# Altium PCB DSD_SDR_MainBoard_Quad.PcbDoc (part 2 of 2)
Units mm, origin at the board's own origin, x right, y up, seen from the top; angles counter-clockwise.
Board outline 143.13 x 116.33 mm, 2 copper layers (Top Layer, Bottom Layer), stack 1.569 mm thick; 92 components, 70 nets, 373 pads, 98 vias.
Unrouted connection lines stored in the file: 1.
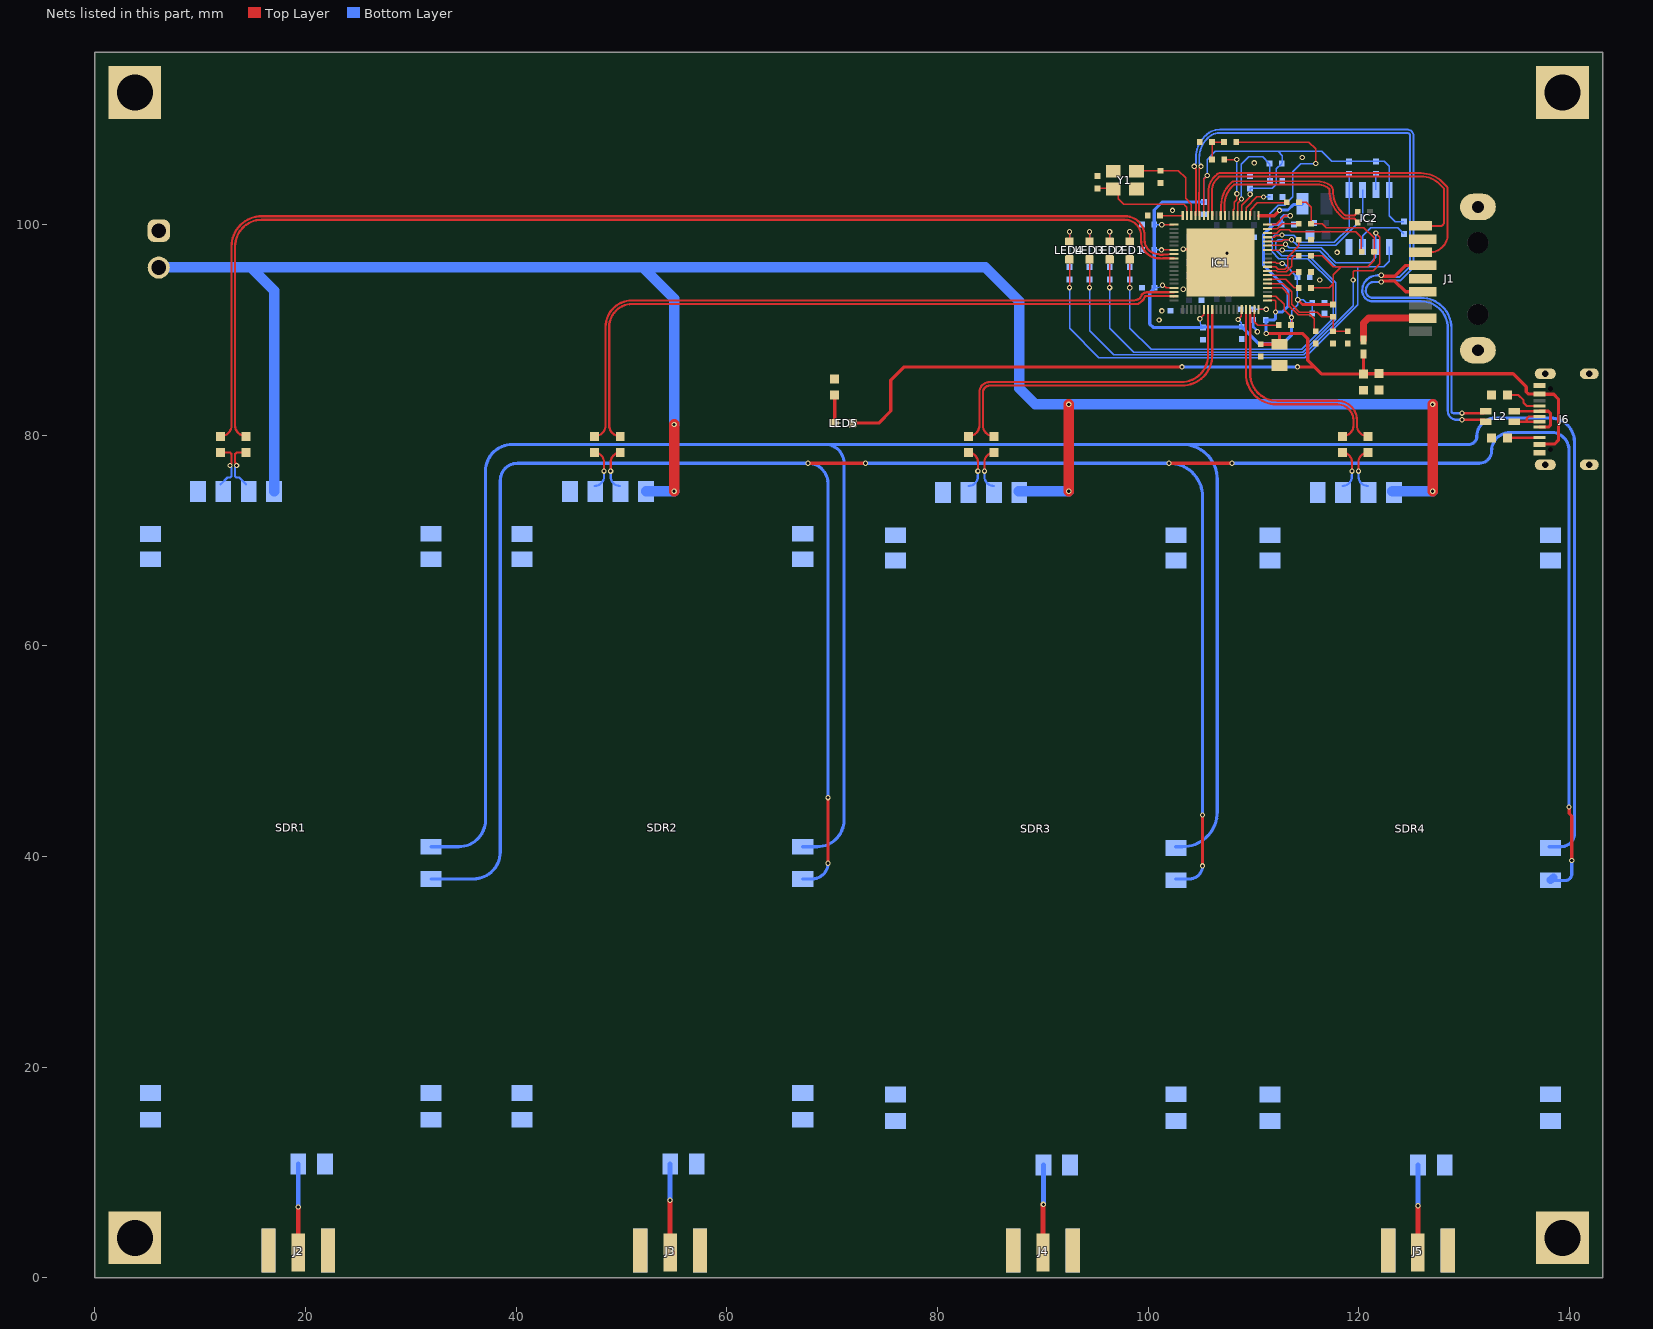
[diagram p2: the nets of this part, all layers, seen from the top]

## Via types
v1: diameter 0.5, hole 0.3, Top Layer to Bottom Layer, tented both sides, 98 vias

## Nets (pads, with @x,y where several pads share a name; then routed paths per layer and width w, separated by ;. In a path a pad name is that pad's centre, name@x,y a point inside that pad or via, vN(x,y) a via of type N, cw(c..) or ccw(c..) an arc to the next point about the centre after c; other vN are vias at no path point) (continued)
3_3V: C8.1 C9.1 C14.1 C15.1 C16.1 C17.1 C18.1 C19.1 C20.1 C21.1 IC1.6 IC1.15 IC1.21 IC1.29 IC1.43 IC1.52 IC1.58 IC1.64 IC1.73 IC2.8 R2.2 R7.2 R8.2 R9.2 R10.2 R11.2 R12.2 R15.1 R17.1 R19.1 R21.1 | length 126
  Top Layer w0.127: v1(101.256,97.598) 101.258,97.595 102.427,97.595 IC1.64@102.429,97.593 ; v1(101.276,99.978) 101.284,99.985 102.421,99.985 IC1.58@102.429,99.993 ; v1(101.346,94.234) 101.447,94.234 101.689,93.991 IC1.73@102.429,93.993 ; v1(104.902,91.059) 104.908,91.059 105.265,91.416 105.265,91.93 IC1.6@105.279,91.943 ; IC1.52@105.279,100.843 105.279,104.318 v1(105.609,104.648) ; v1(108.534,90.984) 108.534,90.99 108.842,91.298 108.842,91.907 IC1.15@108.879,91.943 ; IC1.43@108.879,100.843 108.879,101.822 109.673,102.616 v1(109.673,102.87) 109.673,103.124 ; IC1.21@111.329,93.193 112.111,93.193 112.89,92.414 112.89,91.906 v1(113.61,91.186) 113.61,90.507 R17.1@113.562,90.459 ; IC1.29@111.329,96.393 111.341,96.406 112.097,96.406 112.16,96.342 112.669,96.342 v1(112.721,96.29) ; R19.1@114.321,102.108 115.007,102.108 115.464,101.651 R7.2@115.464,100.076 116.531,100.076 116.912,99.695 120.48,99.695 121.433,98.742 121.433,96.596 120.849,96.012 118.309,96.012 ; R15.1@115.464,93.98 117.166,93.98 117.547,94.361 ; R21.1@115.464,97.028 116.531,97.028 117.547,96.012 118.309,96.012 ; R12.2@117.547,92.405 117.547,94.361 ; 117.547,94.361 117.547,95.25 118.309,96.012
  Top Layer w0.305: v1(114.19,92.86) 114.644,92.405 R12.2@117.547,92.405
  Bottom Layer w0.127: C16.1@100.573,99.982 100.577,99.978 v1(101.276,99.978) ; C15.1@100.574,97.598 v1(101.256,97.598) ; C14.1@100.587,93.99 100.756,93.99 ccw(c100.756,94.117) 100.787,93.994 101.259,94.115 101.346,94.202 v1(101.346,94.234) ; v1(104.902,91.059) 104.916,91.045 104.916,90.619 104.981,90.553 104.981,90.447 C20.1@105.193,90.236 ; C17.1@105.286,102.14 105.286,104.326 v1(105.609,104.648) 105.609,106.172 106.371,106.934 112.34,106.934 ; v1(108.534,90.984) 108.821,90.697 108.821,90.421 C21.1@108.911,90.331 ; v1(109.673,102.87) C18.1@109.673,103.429 111.756,103.429 112.164,103.837 112.164,105.285 R2.2@112.67,105.791 112.721,105.842 112.721,106.553 112.34,106.934 ; v1(112.721,96.29) 112.792,96.219 112.946,96.219 C19.1@114.169,94.996 114.169,92.913 114.19,92.892 v1(114.19,92.86) ; v1(113.61,91.186) 113.61,91.821 114.19,92.401 v1(114.19,92.86) ; C8.1@115.566,91.567 C9.1@115.566,92.583 115.007,92.583 114.73,92.86 v1(114.19,92.86) ; R9.2@124.278,100.279 123.44,100.279 122.881,100.838 IC2.8@122.881,103.296 122.881,105.537 122.424,105.994 R10.2@121.611,105.994 R11.2@119.071,105.994 117.405,105.994 116.465,106.934 112.34,106.934
  Bottom Layer w0.305: C14.1@100.573,93.976 100.573,97.576 C15.1@100.563,97.586 C16.1@100.563,99.992 ; C16.1@100.573,99.982 C16.1@100.563,99.992 ; C14.1@100.587,93.99 100.581,93.99 100.461,93.87 100.461,93.864 100.148,93.551 100.148,90.551 100.463,90.236 C20.1@105.193,90.236 105.228,90.271 C21.1@108.911,90.271 ; C17.1@105.286,102.14 101.323,102.14 100.563,101.38 C16.1@100.563,99.992 ; C21.1@108.886,90.306 110.494,88.699 112.773,88.699 113.61,89.535 v1(113.61,91.186)
5VBus: C1.1 C2.1 C10.1 C11.2 C12.1 C13.1 FB1.2 IC1.20 IC1.38 J6.2 J6.11 LED5.A R1.2 | length 128.6
  Top Layer w0.127: R1.2@108.352,107.823 115.261,107.823 115.896,107.188 v1(115.896,105.791) ; IC1.20@111.329,92.793 112.003,92.793 112.086,92.71 v1(112.086,91.694)
  Top Layer w0.203: IC1.38@111.329,99.993 112.13,99.993 112.975,100.838 v1(113.483,100.838)
  Top Layer w0.305: LED5.A@71.931,81.153 74.422,81.153 75.565,82.296 75.565,85.217 76.835,86.487 v1(103.206,86.487) ; C10.1@110.677,88.64 112.461,88.64 C11.2@112.467,88.646 112.467,89.535 112.34,89.662 ; v1(111.197,89.662) 112.34,89.662 ; v1(114.173,86.487) 115.769,86.487 ; FB1.2@120.439,87.692 120.443,87.687 120.443,85.824 C1.1@120.448,85.819 ; J6.2@137.123,79.123 137.163,79.162 138.598,79.162 138.938,79.502 138.938,83.439 138.493,83.884 137.163,83.884 J6.11@137.123,83.923 136.069,83.923 135.89,84.102 135.89,84.582 134.632,85.84 C2.1@121.916,85.84 121.906,85.829 120.459,85.829 C1.1@120.448,85.819 ; 112.34,89.662 114.626,89.662 115.134,89.154 115.134,87.122 115.769,86.487 ; 115.769,86.487 116.437,85.819 C1.1@120.448,85.819
  Bottom Layer w0.127: 111.629,99.747 111.518,99.858 111.518,101.032 112.326,101.84 112.961,101.84 113.737,102.616 113.737,105.029 114.499,105.791 v1(115.896,105.791)
  Bottom Layer w0.305: v1(103.206,86.487) v1(114.173,86.487) ; v1(111.197,89.662) 111.171,89.687 111.171,90.907 C12.1@111.146,90.932 111.907,90.932 112.086,91.111 v1(112.086,91.694) 112.721,91.694 113.267,92.24 113.267,93.815 110.943,96.139 110.943,99.06 111.629,99.747 111.875,99.992 C13.1@112.656,99.992 112.656,100.646 112.848,100.838 v1(113.483,100.838)
A1_N: R28.1 SDR1.3 | length 4.6
  Top Layer w0.211: v1@13.518,77.195 13.313,77.4 13.313,78.223 13.437,78.346 R28.1@14.351,78.346
  Bottom Layer w0.211: v1(13.458,77.125) 13.458,77.047 13.313,76.902 13.313,76.107 13.437,75.984 13.706,75.984 SDR1.3@14.351,75.339
A1_P: R27.1 SDR1.2 | length 4.4
  Top Layer w0.211: R27.1@11.938,78.346 12.852,78.346 12.976,78.223 12.976,77.348 12.831,77.204 v1(12.831,77.125)
  Bottom Layer w0.211: SDR1.2@11.938,75.339 12.583,75.984 12.852,75.984 12.976,76.107 12.976,76.902
A2_N: R30.1 SDR2.3 | length 4.2
  Top Layer w0.211: v1(48.967,76.591) 48.967,77.436 cw(c49.877,77.436) R30.1@49.877,78.346
  Bottom Layer w0.211: v1(48.967,76.591) 48.976,75.952 ccw(c49.187,75.955) 48.979,75.922 48.979,75.92 ccw(c49.849,76.066) SDR2.3@49.849,75.184
A2_P: R29.1 SDR2.2 | length 4.2
  Top Layer w0.211: R29.1@47.43,78.346 cw(c47.43,77.436) 48.34,77.436 v1(48.34,76.591)
  Bottom Layer w0.211: SDR2.2@47.436,75.184 ccw(c47.436,76.088) 48.324,75.92 ccw(c48.118,75.96) 48.328,75.956 v1(48.34,76.591)
A3_N: R32.1 SDR3.3 | length 4.2
  Top Layer w0.211: v1(84.455,76.591) 84.455,77.457 cw(c85.344,77.457) R32.1@85.344,78.346
  Bottom Layer w0.211: v1(84.455,76.591) 84.465,75.953 ccw(c84.676,75.957) 84.469,75.92 ccw(c85.348,76.077) SDR3.3@85.348,75.184
A3_P: R31.1 SDR3.2 | length 4.2
  Top Layer w0.211: R31.1@82.931,78.346 cw(c82.931,77.449) 83.828,77.449 v1(83.828,76.591)
  Bottom Layer w0.211: SDR3.2@82.935,75.184 ccw(c82.935,76.077) 83.814,75.92 ccw(c83.607,75.958) 83.817,75.954 v1(83.828,76.591)
A4_N: R34.1 SDR4.3 | length 4.2
  Top Layer w0.211: v1(119.961,76.591) 119.961,77.459 cw(c120.849,77.459) R34.1@120.849,78.346
  Bottom Layer w0.211: v1(119.961,76.591) 119.971,75.952 ccw(c120.182,75.956) 119.974,75.922 119.974,75.92 ccw(c120.846,76.069) SDR4.3@120.846,75.184
A4_P: R33.1 SDR4.2 | length 4.2
  Top Layer w0.211: R33.1@118.447,78.346 cw(c118.447,77.459) 119.334,77.459 v1(119.334,76.591)
  Bottom Layer w0.211: SDR4.2@118.433,75.184 ccw(c118.433,76.085) 119.319,75.92 ccw(c119.112,75.959) 119.323,75.955 v1(119.334,76.591)
B1_N: IC1.66 R28.2 | length 111.4
  Top Layer w0.211: R28.2@14.351,79.896 cw(c14.351,80.934) 13.313,80.934 13.313,97.917 cw(c15.853,97.917) 15.853,100.457 97.79,100.457 cw(c97.79,98.933) 99.314,98.933 99.314,98.533 ccw(c101.053,98.533) 101.053,96.793 101.076,96.793 cw(c101.075,96.582) 101.111,96.79 ccw(c101.254,97.597) 101.397,96.79 cw(c101.434,96.582) 101.433,96.793 IC1.66@102.429,96.793
B1_P: IC1.65 R27.2 | length 112
  Top Layer w0.211: R27.2@11.938,79.896 ccw(c11.938,80.934) 12.976,80.934 12.976,97.917 cw(c15.853,97.917) 15.853,100.795 97.79,100.795 cw(c97.79,98.933) 99.652,98.933 99.652,98.533 ccw(c100.991,98.533) 100.991,97.193 ccw(c101.254,97.597) 101.338,97.122 cw(c101.434,96.582) 101.4,97.13 IC1.65@102.429,97.193
B2_N: IC1.75 R30.2 | length 66.2
  Top Layer w0.211: R30.2@49.877,79.896 cw(c49.877,80.951) 48.823,80.951 48.823,90.276 cw(c51.003,90.276) 51.003,92.456 98.979,92.456 ccw(c98.979,92.667) 99.107,92.5 99.278,92.629 99.408,92.73 ccw(c99.071,93.163) 99.565,92.924 99.652,93.104 cw(c99.842,93.014) 99.841,93.224 102.398,93.224 cw(c102.398,93.193) IC1.75@102.429,93.193
B2_P: IC1.74 R29.2 | length 66.7
  Top Layer w0.211: R29.2@47.43,79.896 ccw(c47.43,80.951) 48.485,80.951 48.485,90.276 cw(c51.003,90.276) 51.003,92.794 98.546,92.794 ccw(c98.546,93.955) 98.935,92.861 ccw(c98.546,93.955) 99.189,92.988 ccw(c99.071,93.163) 99.261,93.071 99.349,93.253 cw(c99.842,93.014) 99.842,93.562 102.398,93.562 ccw(c102.398,93.593) IC1.74@102.429,93.593
B3_N: IC1.8 R32.2 | length 32.9
  Top Layer w0.211: R32.2@85.344,79.896 cw(c85.344,80.934) 84.306,80.934 84.306,84.074 cw(c84.941,84.074) 84.941,84.709 103.201,84.709 ccw(c103.201,87.587) 106.079,87.587 IC1.8@106.079,91.943
B3_P: IC1.7 R31.2 | length 32.8
  Top Layer w0.211: R31.2@82.931,79.896 ccw(c82.931,80.934) 83.969,80.934 83.969,84.074 cw(c84.941,84.074) 84.941,85.047 103.139,85.047 ccw(c103.139,87.587) 105.679,87.587 IC1.7@105.679,91.943
B4_N: IC1.17 R34.2 | length 20.9
  Top Layer w0.211: IC1.17@109.679,91.943 109.679,85.809 ccw(c112.219,85.809) 112.219,83.269 117.955,83.269 cw(c117.955,81.407) 119.817,81.407 119.817,80.928 ccw(c120.849,80.928) R34.2@120.849,79.896
B4_P: IC1.16 R33.2 | length 20.9
  Top Layer w0.211: IC1.16@109.279,91.943 109.279,85.809 ccw(c112.156,85.809) 112.156,82.931 117.955,82.931 cw(c117.955,81.407) 119.479,81.407 119.479,80.928 cw(c118.447,80.928) R33.2@118.447,79.896
EXTPWRON: IC1.44 R2.1 R5.1 | length 9.9
  Top Layer w0.127: IC1.44@108.479,100.843 108.474,100.848 108.474,102.04 v1(108.853,102.42)
  Bottom Layer w0.127: v1(108.853,102.42) 108.853,105.734 109.546,106.426 110.867,106.426 R2.1@111.502,105.791 111.552,105.74 R5.1@111.552,104.14
GND: C1.2 C2.2 C5.2 C6.2 C7.2 C8.2 C9.2 C10.2 C11.1 C12.2 C13.2 C14.2 C15.2 C16.2 C17.2 C18.2 C19.2 C20.2 C21.2 C22.2 C23.2 C24.2 C25.2 C26.2 C27.2 C28.2 C29.2 C30.2 C31.2 C32.2 C33.2 IC1.77 IC2.4 J1.4 J1.7 J1.Shell J2.2_1 J2.2_2 J2.3_1 J2.3_2 J3.2_1 J3.2_2 J3.3_1 J3.3_2 J4.2_1 J4.2_2 J4.3_1 J4.3_2 J5.2_1 J5.2_2 J5.3_1 J5.3_2 J6.1 J6.12 J6.S3 J6.S4 J6.S5 J6.S6 P1.1 pad.2 R3.1 R5.2 R6.1 R13.1 R14.2 R16.1 R18.1 R20.1 R22.1 R23.1 R24.1 R25.1 R26.1 R35.1 R36.1 R37.1 SDR1.4 SDR2.4 SDR3.4 SDR4.4 Y1.2 Y1.4 | length 7.9
  Top Layer w0.254: v1(103.323,97.663) 105.609,97.663 IC1.77@106.879,96.393
  Bottom Layer w0.254: C30.2@105.05,98.806 105.06,98.796 106.488,98.796 C31.2@106.498,98.786 ; C25.2@106.498,94.107 C26.2@107.632,94.107 ; C12.2@109.978,90.932 109.978,90.275 110.36,89.892 v1(110.36,89.825)
  other v1: 101.037,90.932 101.293,91.806 103.323,93.853 116.277,94.742 107.471,97.272 117.932,97.357 102.307,101.346 110.064,105.853 114.626,106.363
NetFB1_1: FB1.1 J1.1 | length 7.3
  Top Layer w0.635: FB1.1@120.439,89.042 120.439,90.649 120.909,91.119 J1.1@125.895,91.119
NetIC1_39: IC1.39 L1.1 | length 4.6
  Top Layer w0.305: IC1.39@110.479,100.843 111.964,100.843 v1(112.467,101.346)
  Bottom Layer w0.305: v1(112.467,101.346) 112.504,101.383 113.266,101.383 113.78,101.897 114.545,101.897 L1.1@114.629,101.981
NetIC1_57: IC1.57 R6.2 | length 2.1
  Top Layer w0.127: R6.2@101.169,100.843 IC1.57@103.279,100.843
NetIC2_3: IC2.3 R9.1 | length 5.6
  Bottom Layer w0.127: IC2.3@120.341,97.872 120.341,98.933 121.103,99.695 123.694,99.695 R9.1@124.278,99.111
NetIC2_7: IC2.7 R10.1 | length 1.5
  Bottom Layer w0.127: IC2.7@121.611,103.296 R10.1@121.611,104.826
NetJ2_1: J2.1 SDR1.7 | length 8.4
  Top Layer w0.463: J2.1@19.304,2.413 v1(19.304,6.731)
  Bottom Layer w0.463: v1(19.304,6.731) 19.304,10.833 SDR1.7@19.311,10.833
NetJ3_1: J3.1 SDR2.7 | length 8.4
  Top Layer w0.463: J3.1@54.61,2.413 v1(54.61,7.366)
  Bottom Layer w0.463: v1(54.61,7.366) 54.61,10.833 SDR2.7@54.617,10.833
NetJ4_1: J4.1 SDR3.7 | length 8.3
  Top Layer w0.463: J4.1@90.012,2.413 90.012,6.954 cw(c90.043,6.954) v1(90.043,6.985)
  Bottom Layer w0.463: v1(90.043,6.985) 90.043,10.706 SDR3.7@90.047,10.706
NetJ5_1: J5.1 SDR4.7 | length 8.3
  Top Layer w0.463: J5.1@125.603,2.413 v1(125.603,6.858)
  Bottom Layer w0.463: v1(125.603,6.858) 125.603,10.706 SDR4.7@125.61,10.706
NetJ6_3: J6.3 R36.2 | length 3
  Top Layer w0.211: R36.2@134.125,79.756 137.123,79.756 J6.3@137.123,79.773
NetJ6_5: J6.5 J6.8 L2.4 | length 5.6
  Top Layer w0.211: L2.4@134.747,82.28 J6.8@136.98,82.28
  Top Layer w0.305: J6.5@137.123,80.773 137.997,80.773 138.176,80.951 138.176,82.094 137.997,82.273 J6.8@137.123,82.273
NetJ6_6: J6.6 J6.7 L2.1 | length 4
  Top Layer w0.211: L2.1@134.747,81.28 134.747,81.273 135.935,81.273 ; J6.6@137.123,81.273 135.935,81.273 ; J6.7@137.123,81.773 136.129,81.773 135.935,81.579 135.935,81.273
NetJ6_9: J6.9 R35.2 | length 3.6
  Top Layer w0.211: R35.2@134.125,83.82 135.128,83.82 135.636,83.312 135.636,83.058 135.921,82.773 J6.9@137.123,82.773
NetLED1_K: LED1.K R23.2 | length 4.3
  Top Layer w0.127: LED1.K@98.235,98.386 98.243,98.394 v1(98.243,99.314)
  Bottom Layer w0.127: R23.2@98.243,95.961 v1(98.243,99.314)
NetLED2_K: LED2.K R24.2 | length 4.4
  Top Layer w0.127: LED2.K@96.334,98.261 v1(96.334,99.318)
  Bottom Layer w0.127: v1(96.334,99.318) 96.334,95.968 R24.2@96.341,95.961
NetLED3_K: LED3.K R25.2 | length 4.5
  Top Layer w0.127: LED3.K@94.433,98.22 v1(94.433,99.314)
  Bottom Layer w0.127: R25.2@94.413,95.961 94.433,95.981 v1(94.433,99.314)
NetLED4_K: LED4.K R26.2 | length 4.3
  Top Layer w0.127: LED4.K@92.528,98.374 v1(92.528,99.314)
  Bottom Layer w0.127: v1(92.528,99.314) 92.528,96.901 92.531,96.897 R26.2@92.531,95.961
NetLED5_K: LED5.K R37.2 | length 2.7
  Top Layer w0.305: LED5.K@70.231,81.153 R37.2@70.231,83.807
NetR1_1: R1.1 R3.2 R4.2 | length 2.8
  Top Layer w0.127: R4.2@106.041,106.172 106.015,106.197 106.066,106.248 R3.2@106.066,107.823 R1.1@107.184,107.823
OSC/NC: SDR1.6 SDR2.6 SDR3.6 SDR4.6 | length 277.1
  Top Layer w0.3: v1(67.691,77.343) v1(73.152,77.343) ; v1(69.596,39.37) v1(69.596,45.593) ; v1(101.981,77.343) v1(107.95,77.343) ; v1(105.156,39.116) v1(105.156,43.942) ; v1(139.935,44.704) 139.973,44.666 139.973,44.089 140.208,43.854 v1(140.208,39.624)
  Bottom Layer w0.3: SDR1.6@31.896,37.883 35.941,37.883 ccw(c35.941,40.423) 38.481,40.423 38.481,75.692 cw(c40.132,75.692) 40.132,77.343 v1(67.691,77.343) cw(c67.691,75.438) 69.596,75.438 v1(69.596,45.593) ; SDR2.6@67.202,37.883 68.109,37.883 ccw(c68.109,39.37) v1(69.596,39.37) ; v1(73.152,77.343) v1(101.981,77.343) cw(c101.981,74.168) 105.156,74.168 v1(105.156,43.942) ; SDR3.6@102.574,37.883 103.923,37.883 ccw(c103.923,39.116) v1(105.156,39.116) ; v1(107.95,77.343) 131.445,77.343 ccw(c131.445,78.486) 132.588,78.486 cw(c134.366,78.486) 134.366,80.264 138.284,80.264 cw(c138.284,78.613) 138.536,80.245 cw(c138.284,78.613) 139.916,78.865 cw(c138.284,78.613) 139.935,78.613 v1(139.935,44.704) ; SDR4.6@138.195,37.756 ccw(c138.233,37.756) 138.233,37.719 139.573,37.719 ccw(c139.573,38.354) 140.208,38.354 v1(140.208,39.624)
  Bottom Layer w0.75: SDR4.6@138.195,37.756 SDR4.6@138.463,38.024
OSC/OUT: SDR1.5 SDR2.5 SDR3.5 SDR4.5 | length 272.2
  Bottom Layer w0.3: SDR1.5@31.896,40.931 34.544,40.931 ccw(c34.544,43.471) 37.084,43.471 37.084,76.581 cw(c39.624,76.581) 39.624,79.121 69.342,79.121 ; SDR2.5@67.202,40.931 68.58,40.931 ccw(c68.58,43.471) 71.12,43.471 71.12,77.343 ccw(c69.342,77.343) 69.342,79.121 ; SDR3.5@102.574,40.931 103.251,40.931 ccw(c103.251,44.233) 106.553,44.233 106.553,75.819 ccw(c103.251,75.819) 103.251,79.121 ; SDR4.5@138.065,40.931 139.192,40.931 ccw(c139.192,42.201) 140.462,42.201 140.462,79.375 ccw(c138.214,79.375) 138.214,81.623 132.931,81.623 ccw(c132.931,79.883) 131.191,79.883 cw(c130.429,79.883) 130.429,79.121 103.251,79.121 ; 69.342,79.121 103.251,79.121
OVCUR1: IC1.25 R15.2 | length 3.3
  Top Layer w0.127: IC1.25@111.329,94.793 113.051,94.793 113.864,93.98 R15.2@114.296,93.98
OVCUR2: IC1.18 R17.2 | length 3.6
  Top Layer w0.127: IC1.18@110.079,91.943 110.079,90.78 110.4,90.459 R17.2@112.394,90.459
OVCUR3: IC1.41 R19.2 | length 4.3
  Top Layer w0.127: IC1.41@109.679,100.843 109.715,100.88 109.715,101.413 110.351,102.048 113.093,102.048 R19.2@113.153,102.108
OVCUR4: IC1.27 R21.2 | length 4.1
  Top Layer w0.127: IC1.27@111.329,95.593 112.146,95.593 112.235,95.504 113.08,95.504 113.61,96.034 113.61,96.774 113.864,97.028 R21.2@114.296,97.028
PWREN1: IC1.26 R16.2 | length 3.1
  Top Layer w0.127: IC1.26@111.329,95.193 113.409,95.193 113.72,95.504 R16.2@114.296,95.504
PWREN2: IC1.19 R18.2 | length 2
  Top Layer w0.127: IC1.19@110.479,91.943 110.484,91.948 v1(111.197,91.948)
  Bottom Layer w0.127: R18.2@109.952,91.948 v1(111.197,91.948)
PWREN3: IC1.42 R20.2 | length 3.5
  Top Layer w0.127: IC1.42@109.279,100.843 109.285,100.85 109.285,101.593 110.308,102.616 v1(110.943,102.616)
  Bottom Layer w0.127: v1(110.943,102.616) R20.2@111.578,102.616
PWREN4: IC1.28 R22.2 | length 5.1
  Top Layer w0.127: IC1.28@111.329,95.993 112.105,95.993 112.34,95.758 112.975,95.758 113.229,96.012 113.229,96.901 114.296,97.968 R22.2@114.296,98.552
RST_OUT: C7.1 IC1.24 R12.1 R14.1 | length 11
  Top Layer w0.127: IC1.24@111.329,94.393 112.816,94.393 113.61,93.599 113.61,92.412 114.328,91.694 116.023,91.694 116.48,91.237 R12.1@117.547,91.237 R14.1@117.547,89.865 C7.1@118.944,89.865
SMCLK: IC1.36 R8.1 | length 10.7
  Top Layer w0.127: IC1.36@111.329,99.193 112.197,99.193 112.513,99.509 113.394,99.509 113.599,99.304 119.716,99.304 120.214,98.806 R8.1@120.214,97.377
SMDAT: IC1.37 R7.1 | length 3.2
  Top Layer w0.127: IC1.37@111.329,99.593 112.238,99.593 112.721,100.076 R7.1@114.296,100.076
SPICLK: IC1.34 IC2.6 LED2.A | length 56.1
  Top Layer w0.127: LED2.A@96.33,96.686 96.338,96.678 v1(96.338,94.01) ; IC1.34@111.329,98.393 112.676,98.393 112.847,98.564 113.598,98.564 v1(113.61,98.552)
  Bottom Layer w0.127: v1(96.338,94.01) 96.338,90.17 98.624,87.884 114.669,87.884 117.801,91.015 117.801,94.466 115.244,97.023 112.653,97.023 112.086,97.59 112.086,98.298 112.351,98.564 113.598,98.564 114.135,98.027 117.784,98.027 120.341,100.584 IC2.6@120.341,103.296
SPICS: IC1.32 IC2.1 LED4.A | length 54.5
  Top Layer w0.127: v1(92.528,94.007) LED4.A@92.528,96.648 ; IC1.32@111.329,97.593 111.349,97.573 112.717,97.573 v1(112.721,97.577)
  Bottom Layer w0.127: v1(92.528,94.007) 92.528,90.17 95.322,87.376 114.88,87.376 119.907,92.403 119.907,95.938 119.833,96.012 ; v1(112.721,97.577) 112.78,97.519 116.294,97.519 117.801,96.012 119.833,96.012 ; IC2.1@122.881,97.872 122.881,96.52 122.373,96.012 119.833,96.012
SPISI: IC1.35 IC2.5 LED1.A R11.1 | length 54.4
  Top Layer w0.127: LED1.A@98.235,96.686 98.243,96.678 v1(98.243,93.995) ; IC1.35@111.329,98.793 111.341,98.806 111.948,98.806 112.081,98.939 112.629,98.939 v1(112.695,99.004)
  Bottom Layer w0.127: v1(98.243,93.995) 98.243,90.17 100.275,88.138 114.564,88.138 117.547,91.121 117.547,94.361 115.139,96.769 112.386,96.769 111.756,97.399 111.756,98.73 112.01,98.984 112.674,98.984 v1(112.695,99.004) ; v1@112.703,98.993 113.792,98.993 114.487,98.298 117.674,98.298 119.071,99.695 IC2.5@119.071,103.296 R11.1@119.071,104.826
SPISO: IC1.33 IC2.2 LED3.A | length 57.3
  Top Layer w0.127: v1(94.433,94.009) LED3.A@94.433,96.644 ; IC1.33@111.329,97.993 111.354,98.018 112.824,98.018 112.929,98.123 v1(113.03,98.123) ; v1(119.452,94.742) 119.452,95.504 119.579,95.631 121.357,95.631 121.992,96.266 121.992,98.806 v1(121.611,99.187)
  Bottom Layer w0.127: v1(94.433,94.009) 94.433,89.916 96.719,87.63 114.775,87.63 119.452,92.307 v1(119.452,94.742) ; v1(113.03,98.123) 113.38,97.773 116.421,97.773 117.801,96.393 121.103,96.393 121.611,96.901 IC2.2@121.611,97.872 v1(121.611,99.187)
SSRX0_N: IC1.50 J1.5 | length 31.5
  Top Layer w0.186: IC1.50@106.079,100.843 106.079,101.137 ccw(c106.005,101.137) 106.057,101.19 cw(c106.11,101.242) 106.035,101.242 106.035,103.162 cw(c107.667,103.162) 106.513,104.315 106.757,104.559 125.898,104.559 cw(c125.898,102.019) 127.694,103.815 128.093,103.416 128.093,100.215 cw(c127.907,100.216) 128.052,100.099 ccw(c128.534,99.711) 127.974,99.975 cw(c127.806,100.055) 127.807,99.869 127.629,99.869 J1.5@125.67,99.869
SSRX0_P: IC1.51 J1.6 | length 34.7
  Top Layer w0.186: IC1.51@105.679,100.843 105.679,101.137 cw(c105.753,101.137) 105.701,101.19 ccw(c105.648,101.242) 105.722,101.242 105.722,103.164 cw(c107.663,103.164) 106.291,104.536 106.536,104.781 cw(c106.756,104.561) 106.756,104.872 125.899,104.872 cw(c125.899,102.022) 127.914,104.037 128.315,103.637 cw(c128.095,103.417) 128.406,103.417 128.406,98.756 cw(c128.22,98.756) 128.4,98.707 128.387,98.661 ccw(c128.567,98.613) 128.387,98.659 cw(c126.731,99.074) 126.655,97.369 ccw(c126.648,97.183) 126.649,97.369 J1.6@125.67,97.369
SSTX0_N: C3.1 IC1.47 | length 17.1
  Top Layer w0.186: IC1.47@107.279,100.843 107.279,101.137 ccw(c107.205,101.137) 107.257,101.19 cw(c107.31,101.242) 107.235,101.242 107.235,101.827 cw(c109.775,101.827) 107.979,103.623 108.154,103.797 116.071,103.797 cw(c116.071,102.063) 116.976,103.542 cw(c116.071,102.063) 117.146,103.424 cw(c117.03,103.278) 117.216,103.273 ccw(c120.312,103.178) 118.123,100.987 118.402,100.708 ccw(c118.754,101.062) 118.754,100.563 119.512,100.563 cw(c119.512,100.367) 119.655,100.501 cw(c119.519,100.374) 119.697,100.428 119.706,100.399 ccw(c119.884,100.453) 119.717,100.37 ccw(c119.775,100.415) 119.723,100.364 C3.1@119.884,100.203
SSTX0_P: C4.1 IC1.48 | length 17.6
  Top Layer w0.186: IC1.48@106.879,100.843 106.879,101.137 cw(c106.953,101.137) 106.901,101.19 ccw(c106.848,101.242) 106.922,101.242 106.922,101.827 cw(c109.773,101.827) 107.757,103.843 107.933,104.019 cw(c108.153,103.799) 108.153,104.11 116.075,104.11 cw(c116.075,102.029) 117.332,103.688 cw(c117.22,103.539) 117.363,103.658 117.412,103.6 cw(c117.03,103.278) 117.529,103.264 ccw(c120.312,103.178) 118.344,101.209 118.623,100.93 ccw(c118.754,101.062) 118.754,100.876 119.534,100.876 ccw(c119.534,101.049) 119.702,101.007 cw(c119.775,101.007) 119.723,101.058 C4.1@119.884,101.219
SSXI: C23.1 IC1.55 Y1.3 | length 8.3
  Top Layer w0.127: Y1.3@99.343,105.117 102.855,105.117 103.543,104.429 103.543,102.491 104.085,101.949 104.085,100.849 IC1.55@104.079,100.843
SSXO: C22.1 IC1.56 Y1.1 | length 10.6
  Top Layer w0.127: C22.1@95.195,103.429 97.131,103.429 97.143,103.417 97.143,102.446 97.683,101.905 103.398,101.905 103.45,101.854 103.564,101.74 103.679,101.625 IC1.56@103.679,100.843
TESTEN: IC1.23 R13.2 | length 7.5
  Top Layer w0.127: IC1.23@111.329,93.993 111.342,93.98 112.721,93.98 113.356,93.345 113.356,92.583 113.356,92.307 114.223,91.44 114.499,91.44 115.388,91.44 115.769,91.059 R13.2@115.769,89.865
USBDP0_N: IC1.54 J1.2 L2.3 | length 71.8
  Top Layer w0.186: v1(104.371,105.523) ccw(c104.576,105.523) 104.431,105.378 104.449,105.36 cw(c104.26,105.17) 104.528,105.17 104.528,103.159 104.522,103.153 104.522,101.242 cw(c104.448,101.242) 104.501,101.19 ccw(c104.553,101.137) 104.479,101.137 IC1.54@104.479,100.843
  Top Layer w0.211: v1(129.794,82.093) 131.86,82.093 ccw(c131.86,82.28) L2.3@132.047,82.28
  Top Layer w0.315: v1(122.119,94.556) 122.2,94.636 123.42,94.636 124.437,93.619 J1.2@125.895,93.619
  Bottom Layer w0.186: v1(104.371,105.523) cw(c104.576,105.523) 104.431,105.668 ccw(c104.197,105.902) 104.528,105.902 104.528,106.351 cw(c107.379,106.351) 105.363,108.367 105.444,108.448 cw(c106.802,107.09) 106.802,109.01 119.204,109.01 123.997,109.01 ccw(c123.998,109.196) 123.999,109.01 cw(c124.001,107.498) 124.003,109.01 ; v1@122.254,94.624 122.587,94.641 ccw(c122.578,94.827) 122.611,94.644 122.871,94.691 122.963,94.7 123.968,94.7 125.172,95.904 125.172,108.479 ccw(c124.672,108.478) 124.928,108.907 ccw(c124.55,108.269) 124.55,109.01 124.004,109.01
  Bottom Layer w0.211: v1(122.119,94.556) 121.48,94.556 ccw(c121.48,93.726) 120.65,93.726 ccw(c121.328,93.726) 121.328,93.048 125.9,93.048 cw(c125.9,90.17) 128.778,90.17 128.778,82.296 ccw(c128.981,82.296) 128.981,82.093 v1(129.794,82.093)
USBDP0_P: IC1.53 J1.3 L2.2 | length 71.8
  Top Layer w0.186: IC1.53@104.879,100.843 104.879,101.137 ccw(c104.805,101.137) 104.857,101.19 cw(c104.91,101.242) 104.835,101.242 104.835,103.024 104.841,103.029 104.841,105.17 cw(c105.109,105.17) 104.919,105.36 104.938,105.378 ccw(c104.793,105.523) v1(104.998,105.523)
  Top Layer w0.211: v1(129.794,81.466) 131.86,81.466 cw(c131.86,81.28) L2.2@132.047,81.28
  Top Layer w0.315: v1(122.119,95.183) 122.2,95.102 123.42,95.102 124.437,96.119 J1.3@125.895,96.119
  Bottom Layer w0.186: v1(104.998,105.523) ccw(c104.793,105.523) 104.938,105.668 cw(c105.172,105.902) 104.841,105.902 104.841,106.35 cw(c107.381,106.35) 105.585,108.146 105.664,108.225 cw(c106.803,107.085) 106.803,108.697 119.206,108.697 124.527,108.697 124.55,108.697 cw(c124.55,108.269) 124.768,108.638 cw(c124.672,108.478) 124.859,108.479 124.859,96.034 123.838,95.013 122.593,95.013 122.58,95.026 v1@122.118,95.026
  Bottom Layer w0.211: v1(122.119,95.183) 121.769,95.183 ccw(c121.769,93.726) 120.312,93.726 ccw(c121.328,93.726) 121.328,92.71 125.9,92.71 cw(c125.9,90.17) 128.44,90.17 128.44,82.296 ccw(c129.27,82.296) 129.27,81.466 v1(129.794,81.466)
VBUS: P1.2 SDR1.1 SDR2.1 SDR3.1 SDR4.1 | length 203.6
  Top Layer w0.75: P1.2@6.067,95.913 P1.2@6.09,95.89
  Top Layer w1: v1(54.991,74.676) v1(54.991,81.026) ; v1(92.456,74.676) v1(92.456,82.931) ; v1(127,74.676) v1(127,82.931)
  Bottom Layer w1: P1.2@6.067,95.941 14.803,95.941 ; SDR1.1@17.018,74.676 17.018,93.726 14.803,95.941 ; SDR2.1@52.324,74.676 v1(54.991,74.676) ; v1(54.991,81.026) 54.991,92.964 52.014,95.941 ; SDR3.1@87.695,74.676 v1(92.456,74.676) ; SDR4.1@123.187,74.676 v1(127,74.676) ; v1(127,82.931) v1(92.456,82.931) 89.281,82.931 87.761,84.451 87.761,92.706 84.526,95.941 52.014,95.941 ; 14.803,95.941 52.014,95.941
VBUSDET: IC1.45 R4.1 | length 6.7
  Top Layer w0.127: R4.1@107.209,106.172 v1(108.403,106.172) ; IC1.45@108.079,100.843 108.079,101.406 108.188,101.516 108.188,102.114 108.413,102.338 v1(108.413,102.922)
  Bottom Layer w0.127: v1(108.403,106.172) 108.413,106.162 v1(108.413,102.922)
pads on no net: IC1.1 IC1.2 IC1.4 IC1.5 IC1.10 IC1.11 IC1.13 IC1.14 IC1.30 IC1.31 IC1.59 IC1.60 IC1.62 IC1.63 IC1.68 IC1.69 IC1.71 IC1.72 J1.MH1 J1.MH2 J6. J6.4 J6.10 LED1.0 LED2.0 LED3.0 LED4.0 LED5.0
copper on no net: | length 0
  Bottom Layer w0.463: 127.613,8.912 ccw(c127.635,8.912) 127.635,8.89

## Polygon pours and split planes (outlines as drawn)
GND on Top Layer "GND_L01_P009" (solid, pour order 9): 0,116.332 143.129,116.332 143.129,0 0,0
GND on Bottom Layer "GND_L02_P010" (solid, pour order 10): 0,116.332 143.129,116.332 143.129,0 0,0

## Silkscreen, mask and mechanical layers (free items; w line width, h text height)
Top Overlay:
  drawing of 18 lines, arcs and shapes, not listed
  text "GND" at 9.779,98.624 h1.52
  text "SDR4" at 91.766,95.758 h1.52 r270
  text "SDR1" at 93.671,95.758 h1.52 r270
  text "SDR2" at 95.631,95.758 h1.52 r270
  text "SDR3" at 97.536,95.758 h1.52 r270
  text "+5V" at 9.779,95.322 h1.52
Mechanical 1:
  the board outline again, w0.254